# Altium PCB Sayma_AMC_RFSoC.PcbDoc (part 8 of 11)
Units mm, origin at the board's own origin, x right, y up, seen from the top; angles counter-clockwise.
Board outline 180.55 x 148.45 mm, 18 copper layers (Layer 1, Layer 2, Layer 3, Layer 4, Layer 5, Layer 6, Layer 7, Layer 8, Layer 9, Layer 10, Layer 11, Layer 12, Layer 13, Layer 14, Layer 15, Layer 16, Layer 17, Layer 18), stack 4.915 mm thick; 790 components, 796 nets, 6854 pads, 16 vias.
Unrouted connection lines stored in the file: 2880.
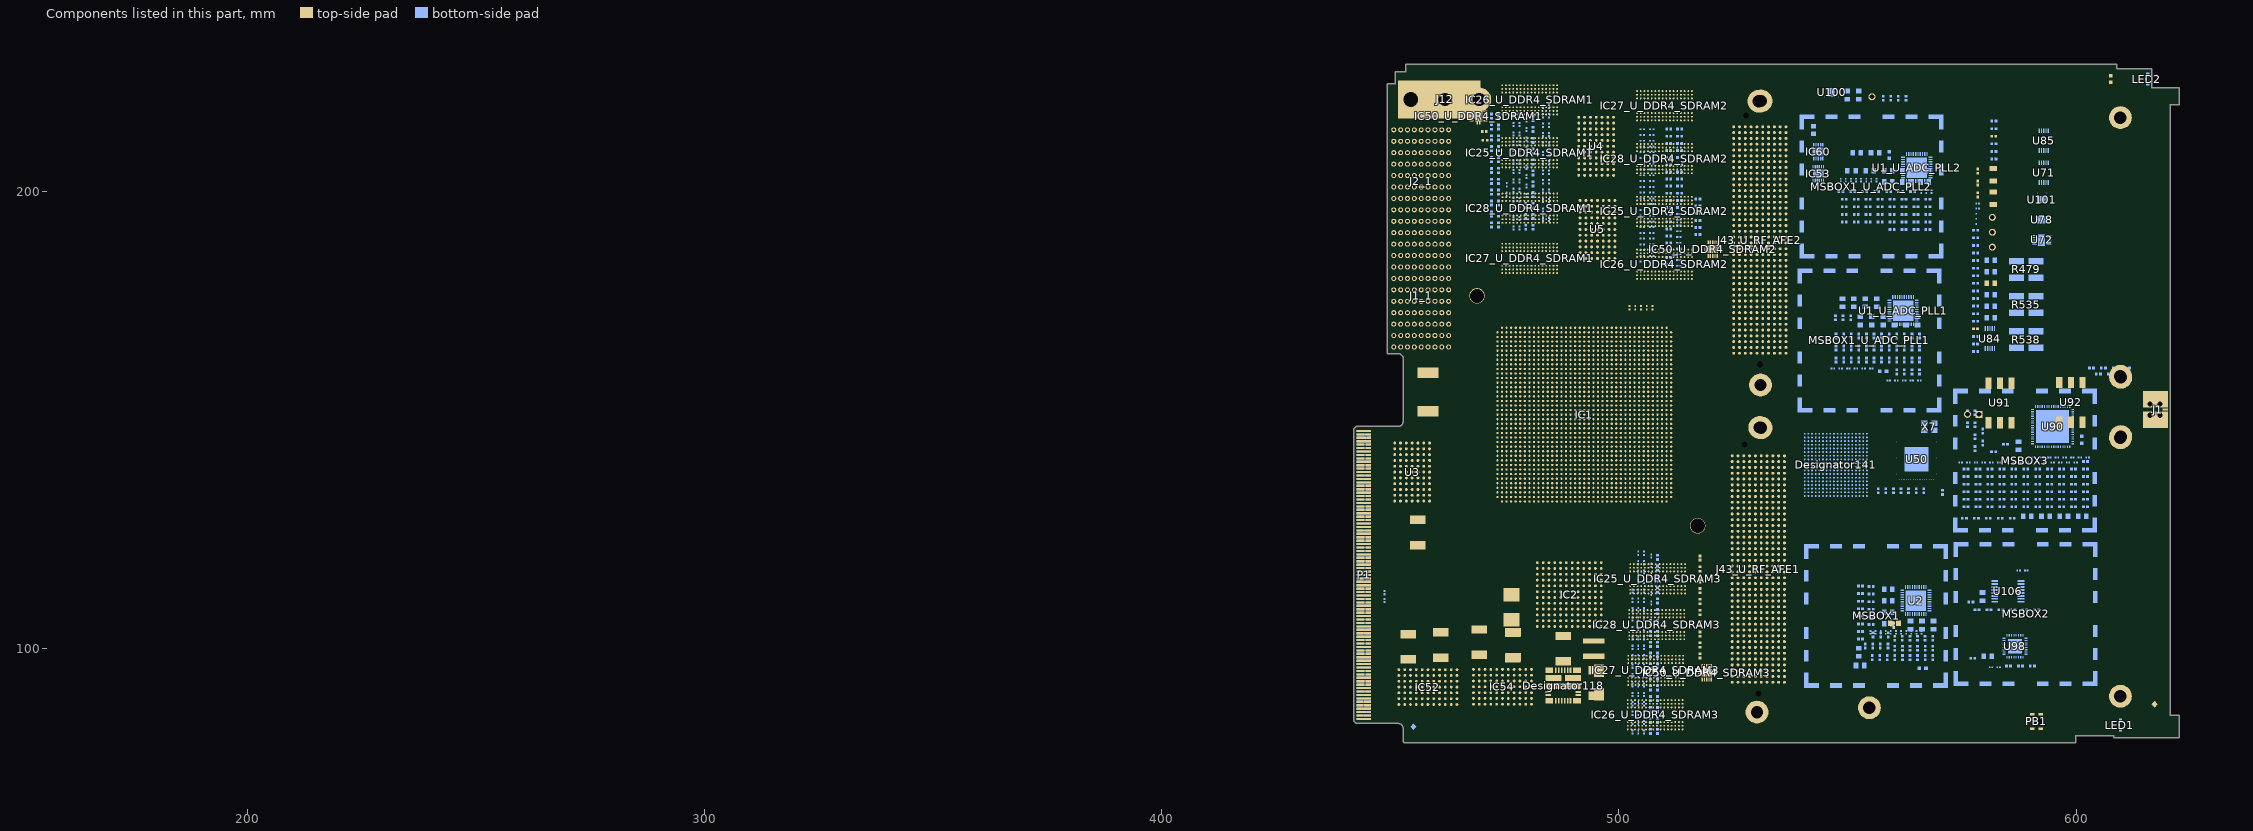
[diagram p19: the components of this part, seen from the top]

## Silkscreen, mask and mechanical layers (free items; w line width, h text height) (continued)
Drill Drawing:
  lines w0.127: 184.1,64.77 317.45,64.77 ; 184.1,69.85 317.45,69.85 ; 184.1,12.7 184.1,74.93 317.45,74.93 317.45,12.7 184.1,12.7
  text "D" at 550.6,224.972 h0.3 r180
  text "B" at 552.872,224.97 h2.03 r180
  text "B" at 557.948,224.941 h2.03 r180
  text "A" at 559.331,224.955 h2.03 r180
  text "B" at 545.788,224.926 h2.03 r180
  text "C" at 558.65,224.926 h0.2 r180
  text "C" at 553.858,224.801 h0.2 r90
  text "C" at 555.273,224.759 h0.2 r180
  text "C" at 545.937,224.736 h0.2 r180
  text "D" at 469.59,224.462 h0.3 r180
  text "D" at 470.698,224.457 h0.3 r180
  text "D" at 471.842,224.457 h0.3 r180
  text "B" at 558.009,224.441 h2.03 r180
  text "C" at 512.661,224.372 h0.2
  text "D" at 506.589,224.3 h0.3
  text "D" at 507.726,224.32 h0.3
  text "C" at 513.932,224.304 h0.2
  text "C" at 505.46,224.285 h0.2
  text "D" at 508.864,224.294 h0.3
  text "C" at 473.877,224.193 h0.2 r180
  text "D" at 503.051,224.107 h0.3
  text "D" at 504.868,224.102 h0.3
  text "B" at 546.228,224.079 h2.03 r180
  text "B" at 552.4,224.062 h2.03 r180
  text "B" at 550.346,223.942 h2.03 r180
  text "B" at 550.868,223.943 h2.03 r180
  text "B" at 556.956,223.896 h2.03 r180
  text "F" at 551.491,223.814 h1 r90
  text "D" at 481.98,223.795 h0.3 r180
  text "C" at 487.572,223.783 h0.2 r180
  text "C" at 510.395,223.761 h0.2
  text "B" at 560.885,223.759 h2.03 r180
  text "C" at 512.355,223.695 h0.2
  text "C" at 473.877,223.66 h0.2 r180
  text "D" at 503.97,223.594 h0.3
  text "C" at 560.709,223.603 h0.2 r180
  text "B" at 558.676,223.498 h2.03 r180
  text "D" at 470.718,223.364 h0.3 r180
  text "D" at 469.584,223.339 h0.3 r180
  text "D" at 471.852,223.349 h0.3 r180
  text "B" at 557.768,223.265 h2.03 r180
  text "C" at 509.755,223.12 h0.2
  text "C" at 553.962,223.073 h0.2 r180
  text "D" at 503.062,223.042 h0.3
  text "D" at 504.868,223.037 h0.3
  text "D" at 547.604,223.016 h0.3
  text "D" at 549.282,223.011 h0.3
  text "C" at 484.456,222.9 h0.2 r180
  text "C" at 510.053,222.832 h0.2
  text "C" at 479.713,222.772 h0.2 r180
  text "C" at 467.026,222.738 h0.2 r180
  text "D" at 505.133,222.727 h0.3
  text "C" at 503.096,222.576 h0.2
  text "C" at 555.932,222.549 h0.2 r180
  text "D" at 511.476,222.456 h0.3
  text "B" at 512.81,222.414 h2.03
  text "C" at 506.911,222.355 h0.2
  text "C" at 507.444,222.355 h0.2
  text "C" at 508.869,222.339 h0.2
  text "B" at 513.154,222.317 h2.03
  text "B" at 556.932,222.319 h2.03 r180
  text "D" at 548.42,222.203 h0.3
  text "F" at 551.54,222.2 h1 r90
  text "E" at 516.875,222.109 h0.6
  text "C" at 544.641,221.952 h0.2 r90
  text "C" at 509.117,221.853 h0.2
  text "U" at 514.376,221.815 h0.9
  text "C" at 505.077,221.794 h0.2
  text "C" at 502.354,221.748 h0.2
  text "C" at 510.107,221.68 h0.2
  text "B" at 509.75,221.66 h2.03
  text "C" at 553.2,221.641 h0.2 r180
  text "C" at 480.816,221.419 h0.2 r180
  text "D" at 513.072,221.373 h0.3
  text "D" at 514.94,221.373 h0.3
  text "D" at 549.276,221.349 h0.3
  text "D" at 547.629,221.333 h0.3
  text "B" at 512.389,221.257 h2.03
  text "C" at 476.598,221.142 h0.2 r180
  text "C" at 505.812,221.07 h0.2
  text "C" at 514.28,221.003 h0.2
  text "D" at 467.157,220.845 h0.3 r180
  text "D" at 514.001,220.86 h0.3
  text "C" at 284.079,220.672 h0.2
  text "C" at 286.161,220.681 h0.2
  text "C" at 502.761,220.598 h0.2
  text "F" at 551.589,220.489 h1 r90
  text "C" at 505.812,220.355 h0.2
  text "C" at 514.307,220.347 h0.2
  text "C" at 544.669,220.315 h0.2 r90
  text "D" at 514.929,220.264 h0.3
  text "D" at 513.072,220.234 h0.3
  text "C" at 510.254,220.17 h0.2
  text "C" at 512.829,220.153 h0.2
  text "C" at 467.289,220.096 h0.2 r180
  text "C" at 554.329,220.054 h0.2 r180
  text "C" at 554.989,220.054 h0.2 r180
  text "C" at 546.366,220.034 h0.2 r180
  text "C" at 555.887,220.005 h0.2 r180
  text "D" at 474.515,219.966 h0.3 r180
  text "C" at 473.66,219.918 h0.2 r180
  text "C" at 552.978,219.877 h0.2 r180
  text "C" at 194.209,219.685 h0.2
  text "C" at 193.294,219.63 h0.2
  text "C" at 195.18,219.63 h0.2
  text "C" at 468.188,219.623 h0.2 r180
  text "C" at 192.212,219.602 h0.2
  text "E" at 516.875,219.609 h0.6
  text "C" at 195.874,219.574 h0.2
  text "B" at 510.088,219.593 h2.03
  text "C" at 546.999,219.59 h0.2 r180
  text "C" at 196.983,219.519 h0.2
  text "C" at 198.231,219.435 h0.2
  text "C" at 199.396,219.435 h0.2
  text "C" at 268.679,219.38 h0.2
  text "C" at 269.581,219.38 h0.2
  text "D" at 557.262,219.389 h0.3 r90
  text "C" at 270.149,219.366 h0.2
  text "C" at 272.396,219.352 h0.2
  text "C" at 471.349,219.359 h0.2 r180
  text "C" at 270.898,219.338 h0.2
  text "C" at 271.661,219.338 h0.2
  text "C" at 273.145,219.338 h0.2
  text "C" at 273.81,219.338 h0.2
  text "C" at 274.531,219.338 h0.2
  text "C" at 509.754,219.341 h0.2
  text "C" at 282.881,219.242 h0.2
  text "C" at 287.339,219.242 h0.2
  text "C" at 290.737,219.242 h0.2
  text "C" at 278.504,219.233 h0.2
  text "C" at 279.038,219.229 h0.2
  text "D" at 487.591,219.235 h0.3 r180
  text "D" at 230.858,219.211 h0.3
  text "C" at 247.299,219.105 h0.2
  text "C" at 546.227,219.09 h0.2
  text "D" at 481.086,219.054 h0.3 r180
  text "C" at 506.554,218.891 h0.2
  text "J" at 205.347,218.805 h1.1
  text "C" at 505.267,218.79 h0.2
  text "J" at 202.408,218.767 h1.1
  text "J" at 208.089,218.778 h1.1
  text "J" at 210.955,218.775 h1.1
  text "C" at 472.145,218.747 h0.2 r180
  text "J" at 213.678,218.66 h1.1
  text "D" at 488.047,218.566 h0.3 r180
  text "B" at 265.275,218.483 h2.03
  text "C" at 475.716,218.498 h0.2 r180
  text "B" at 250.286,218.404 h2.03
  text "B" at 297.91,218.359 h2.03
  text "B" at 297.327,218.336 h2.03
  text "B" at 277.959,218.308 h2.03
  text "B" at 294.679,218.277 h2.03
  text "C" at 507.128,218.288 h0.2
  text "C" at 510.353,218.288 h0.2
  text "B" at 295.195,218.258 h2.03
  text "C" at 515.94,218.23 h0.2
  text "B" at 293.544,218.192 h2.03
  text "C" at 471.632,218.183 h0.2 r180
  text "B" at 292.583,218.16 h2.03
  text "C" at 470.582,217.975 h0.2 r180
  text "C" at 506.779,217.896 h0.2
  text "C" at 479.735,217.766 h0.2 r180
  text "D" at 485.805,217.736 h0.3 r180
  text "C" at 517.123,217.564 h0.2
  text "C" at 473.411,217.551 h0.2 r180
  text "C" at 516.536,217.349 h0.2
  text "C" at 477.143,217.166 h0.2 r180
  text "E" at 516.875,217.109 h0.6
  text "D" at 488.084,217.039 h0.3 r180
  text "D" at 502.872,216.964 h0.3
  text "D" at 504.696,216.916 h0.3
  text "C" at 216.226,216.87 h0.2
  text "C" at 235.286,216.781 h0.2
  text "C" at 480.126,216.784 h0.2 r180
  text "C" at 473.125,216.75 h0.2 r180
  text "C" at 479.593,216.722 h0.2 r180
  text "C" at 472.607,216.623 h0.2 r180
  text "W" at 167.252,216.555 h2.55
  text "C" at 230.339,216.572 h0.2
  text "C" at 507.046,216.449 h0.2
  text "C" at 473.581,216.358 h0.2 r180
  text "C" at 234.009,216.234 h0.2
  text "D" at 487.304,216.173 h0.3 r180
  text "D" at 501.866,216.17 h0.3
  text "D" at 324.667,216.151 h0.3
  text "D" at 503.849,216.149 h0.3
  text "R" at 195.61,216.095 h0.65
  text "T" at 193.91,215.995 h0.85
  text "C" at 470.927,215.969 h0.2 r180
  text "D" at 480.717,215.94 h0.3 r180
  text "D" at 467.94,215.928 h0.3 r180
  text "D" at 325.978,215.869 h0.3
  text "C" at 198.147,215.811 h0.2
  text "B" at 239.481,215.758 h2.03
  text "C" at 506.696,215.722 h0.2
  text "D" at 487.918,215.691 h0.3 r180
  text "D" at 477.791,215.646 h0.3 r180
  text "C" at 513.935,215.402 h0.2
  text "C" at 199.534,215.334 h0.2
  text "X" at 185.302,215.311 h2
  text "D" at 324.95,215.325 h0.3
  text "C" at 508.849,215.253 h0.2
  text "B" at 514.543,215.255 h2.03
  text "D" at 502.872,215.156 h0.3
  text "D" at 504.696,215.164 h0.3
  text "C" at 513.093,215.13 h0.2
  text "C" at 541.894,214.909 h0.2 r270
  text "C" at 232.516,214.891 h0.2
  text "C" at 513.902,214.886 h0.2
  text "C" at 225.651,214.851 h0.2
  text "C" at 475.286,214.87 h0.2 r180
  text "C" at 542.022,214.791 h0.2
  text "C" at 544.229,214.633 h0.2
  text "C" at 544.889,214.633 h0.2
  text "C" at 201.728,214.611 h0.2
  text "D" at 326.076,214.592 h0.3
  text "E" at 516.875,214.609 h0.6
  text "C" at 202.246,214.496 h0.2
  text "D" at 472.788,214.331 h0.3 r180
  text "D" at 473.904,214.33 h0.3 r180
  text "D" at 475.02,214.331 h0.3 r180
  text "C" at 468.118,214.308 h0.2 r180
  text "D" at 501.858,214.158 h0.3
  text "D" at 503.857,214.13 h0.3
  text "D" at 580.928,214.1 h0.3 r90
  text "C" at 195.685,213.982 h0.2
  text "B" at 207.115,213.947 h2.03
  text "C" at 469.606,213.918 h0.2 r180
  text "C" at 507.567,213.904 h0.2
  text "C" at 542.246,213.828 h0.2 r270
  text "C" at 506.643,213.702 h0.2
  text "D" at 481.086,213.419 h0.3 r180
  text "C" at 469.429,213.385 h0.2 r180
  text "D" at 502.839,213.347 h0.3
  text "D" at 504.687,213.343 h0.3
  text "D" at 473.881,213.231 h0.3 r180
  text "D" at 472.782,213.209 h0.3 r180
  text "D" at 475.01,213.199 h0.3 r180
  text "B" at 193.835,213.182 h2.03
  text "F" at 200.763,213.155 h1
  text "F" at 591.424,213.126 h1 r90
  text "C" at 565.403,213.039 h0.2
  text "C" at 583.549,212.963 h0.2 r90
  text "C" at 515.707,212.927 h0.2
  text "C" at 568.539,212.766 h0.2
  text "C" at 594.687,212.736 h0.2 r90
  text "D" at 580.936,212.514 h0.3 r90
  text "C" at 548.819,212.498 h0.2
  text "C" at 237.031,212.369 h0.2
  text "C" at 235.149,212.336 h0.2
  text "C" at 468.114,212.317 h0.2 r180
  text "F" at 197.476,212.257 h1
  text "C" at 225.637,212.196 h0.2
  text "C" at 227.378,212.145 h0.2
  text "D" at 474.996,212.107 h0.3 r180
  text "E" at 516.875,212.109 h0.6
  text "D" at 472.77,212.1 h0.3 r180
  text "D" at 473.911,212.1 h0.3 r180
  text "C" at 538.138,212.022 h0.2 r90
  text "D" at 239.982,211.97 h0.3
  text "D" at 225.334,211.942 h0.3
  text "C" at 569.517,211.915 h0.2
  text "D" at 485.767,211.897 h0.3 r180
  text "C" at 227.913,211.76 h0.2
  text "C" at 470.044,211.758 h0.2 r180
  text "P" at 329.736,211.734 h3.2
  text "P" at 336.216,211.734 h3.2
  text "P" at 342.696,211.734 h3.2
  text "C" at 563.272,211.739 h0.2
  text "C" at 570.346,211.716 h0.2
  text "C" at 324.207,211.621 h0.2
  text "C" at 536.227,211.629 h0.2 r90
  text "D" at 591.107,211.627 h0.3 r90
  text "B" at 241.2,211.555 h2.03
  text "C" at 475.152,211.467 h0.2 r180
  text "B" at 583.259,211.445 h2.03 r90
  text "C" at 237.93,211.291 h0.2
  text "B" at 207.205,211.286 h2.03
  text "C" at 227.272,211.248 h0.2
  text "C" at 559.626,211.216 h0.2
  text "D" at 579.152,211.156 h0.3 r90
  text "D" at 580.644,211.061 h0.3 r90
  text "C" at 505.523,211.041 h0.2
  text "C" at 588.684,211.015 h0.2 r90
  text "B" at 220.431,210.985 h2.03
  text "C" at 235.009,211.002 h0.2
  text "C" at 246.673,210.953 h0.2
  text "C" at 541.747,210.921 h0.2 r90
  text "C" at 589.334,210.914 h0.2 r90
  text "B" at 585.574,210.863 h2.03 r90
  text "C" at 559.166,210.838 h0.2
  text "C" at 471.398,210.745 h0.2 r180
  text "C" at 563.645,210.749 h0.2
  text "C" at 563.023,210.696 h0.2
  text "D" at 591.131,210.585 h0.3 r90
  text "C" at 511.242,210.498 h0.2
  text "C" at 592.174,210.47 h0.2 r90
  text "D" at 537.26,210.38 h0.3 r90
  text "C" at 469.488,210.356 h0.2 r180
  text "C" at 505.574,210.341 h0.2
  text "C" at 562.226,210.33 h0.2
  text "C" at 513.083,210.305 h0.2
  text "C" at 568.856,210.319 h0.2
  text "C" at 471.125,210.29 h0.2 r180
  text "B" at 228.826,210.254 h2.03
  text "C" at 479.735,210.269 h0.2 r180
  text "B" at 233.513,210.076 h2.03
  text "F" at 484.756,210.085 h1 r180
  text "C" at 469.818,209.937 h0.2 r180
  text "D" at 538.189,209.867 h0.3 r90
  text "B" at 236.092,209.824 h2.03
  text "C" at 472.911,209.745 h0.2 r180
  text "M" at 185.6,209.655 h2.55
  text "M" at 262.6,209.655 h2.55
  text "E" at 516.875,209.609 h0.6
  text "D" at 548.887,209.534 h0.3
  text "D" at 549.887,209.534 h0.3
  text "D" at 550.887,209.534 h0.3
  text "D" at 551.887,209.534 h0.3
  text "D" at 552.887,209.534 h0.3
  text "B" at 565.675,209.463 h2.03
  text "C" at 474.959,209.382 h0.2 r180
  text "D" at 540.845,209.292 h0.3 r90
  text "D" at 542.737,209.302 h0.3 r90
  text "C" at 583.179,209.27 h0.2 r90
  text "D" at 537.26,209.241 h0.3 r90
  text "D" at 476.544,209.1 h0.3 r180
  text "D" at 537.502,209.068 h0.3 r90
  text "C" at 515.202,208.922 h0.2
  text "C" at 582.008,208.871 h0.2 r90
  text "C" at 239.74,208.835 h0.2
  text "D" at 541.793,208.778 h0.3 r90
  text "B" at 195.425,208.766 h2.03
  text "C" at 544.526,208.761 h0.2 r270
  text "D" at 325.88,208.74 h0.3
  text "C" at 244.587,208.66 h0.2
  text "C" at 560.755,208.609 h0.2
  text "D" at 548.887,208.534 h0.3
  text "D" at 549.887,208.534 h0.3
  text "D" at 550.887,208.534 h0.3
  text "D" at 551.887,208.534 h0.3
  text "D" at 552.887,208.534 h0.3
  text "B" at 233.53,208.507 h2.03
  text "C" at 471.971,208.375 h0.2 r180
  text "C" at 240.669,208.366 h0.2
  text "F" at 487.542,208.321 h1 r180
  text "D" at 557.157,208.314 h0.3
  text "C" at 501.89,208.139 h0.2
  text "D" at 558.177,208.129 h0.3
  text "B" at 568.302,208.076 h2.03
  text "B" at 242.821,208.057 h2.03
  text "C" at 470.995,207.953 h0.2 r180
  text "D" at 187.925,207.915 h0.3
  text "B" at 195.5,207.914 h2.03
  text "C" at 543.75,207.933 h0.2
  text "1" at 329.577,207.877 h1.27 r90
  text "1" at 332.117,207.877 h1.27 r90
  text "1" at 334.657,207.877 h1.27 r90
  text "D" at 556.718,207.703 h0.3
  text "C" at 515.752,207.489 h0.2
  text "C" at 472.667,207.473 h0.2 r180
  text "C" at 545.704,207.478 h0.2 r270
  text "B" at 233.489,207.453 h2.03
  text "C" at 474.244,207.407 h0.2 r180
  text "A" at 506.795,207.386 h2.03
  text "10" at 327.037,207.225 h1.27 r90
  text "E" at 516.875,207.109 h0.6
  text "C" at 508.239,207.031 h0.2
  text "C" at 509.883,206.976 h0.2
  text "D" at 187.432,206.96 h0.3
  text "D" at 324.503,206.908 h0.3
  text "A" at 506.766,206.901 h2.03
  text "C" at 484.543,206.888 h0.2 r180
  text "B" at 568.491,206.881 h2.03
  text "C" at 241.965,206.854 h0.2
  text "C" at 185.555,206.815 h0.2
  text "D" at 569.07,206.729 h0.3
  text "D" at 594.699,206.732 h0.3 r90
  text "D" at 592.847,206.709 h0.3 r90
  text "C" at 513.528,206.621 h0.2
  text "C" at 514.186,206.535 h0.2
  text "D" at 325.065,206.46 h0.3
  text "E" at 332.515,206.384 h0.6
  text "E" at 334.015,206.384 h0.6
  text "E" at 335.515,206.384 h0.6
  text "E" at 337.015,206.384 h0.6
  text "E" at 338.515,206.384 h0.6
  text "E" at 340.015,206.384 h0.6
  text "E" at 341.515,206.384 h0.6
  text "E" at 343.015,206.384 h0.6
  text "E" at 344.515,206.384 h0.6
  text "D" at 558.3,206.297 h0.3
  text "D" at 560.168,206.297 h0.3
  text "F" at 250.258,206.272 h1
  text "D" at 593.76,206.219 h0.3 r90
  text "C" at 591.982,206.141 h0.2 r90
  text "B" at 245.925,206.04 h2.03
  text "D" at 325.76,206.032 h0.3
  text "D" at 569.038,205.958 h0.3
  text "D" at 559.229,205.784 h0.3
  text "G" at 243.772,205.7 h0.8
  text "D" at 594.689,205.623 h0.3 r90
  text "D" at 592.851,205.558 h0.3 r90
  text "D" at 564.53,205.513 h0.3
  text "D" at 565.855,205.452 h0.3
  text "B" at 231.37,205.435 h2.03
  text "C" at 241.366,205.408 h0.2
  text "C" at 543.793,205.318 h0.2 r270
  text "C" at 563.276,205.301 h0.2
  text "B" at 233.56,205.28 h2.03
  text "C" at 479.646,205.264 h0.2 r180
  text "D" at 553.2,205.248 h0.3
  text "D" at 560.157,205.189 h0.3
  text "D" at 558.3,205.158 h0.3
  text "C" at 557.347,204.97 h0.2
  text "C" at 514.821,204.943 h0.2
  text "C" at 551.472,204.96 h0.2
  text "C" at 543.397,204.922 h0.2 r270
  text "D" at 552.116,204.933 h0.3
  text "D" at 554.009,204.933 h0.3
  text "D" at 250.329,204.864 h0.3
  text "F" at 264.191,204.873 h1
  text "C" at 506.263,204.831 h0.2
  text "C" at 506.945,204.831 h0.2
  text "B" at 544.333,204.729 h2.03
  text "E" at 516.875,204.609 h0.6
  text "B" at 245.974,204.544 h2.03
  text "C" at 264.167,204.459 h0.2
  text "D" at 553.07,204.42 h0.3
  text "D" at 553.2,204.365 h0.3
  text "C" at 581.227,204.254 h0.2 r90
  text "C" at 580.465,204.206 h0.2 r90
  text "C" at 541.872,204.163 h0.2 r270
  text "C" at 278.939,204.111 h0.2
  text "C" at 294.226,204.084 h0.2
  text "D" at 298.739,204.074 h0.3
  text "C" at 281.473,204.037 h0.2
  text "C" at 282.683,204.037 h0.2
  text "C" at 283.955,204.037 h0.2
  text "C" at 285.282,204.037 h0.2
  text "C" at 286.406,204.037 h0.2
  text "C" at 288.412,204.045 h0.2
  text "C" at 509.831,204.027 h0.2
  text "B" at 290.598,204.024 h2.03
  text "B" at 291.868,204.001 h2.03
  text "B" at 293.138,204.009 h2.03
  text "D" at 545.341,204.024 h0.3
  text "C" at 583.65,203.983 h0.2 r90
  text "B" at 568.785,203.972 h2.03
  text "C" at 288.945,203.947 h0.2
  text "C" at 508.271,203.939 h0.2
  text "E" at 332.515,203.884 h0.6
  text "E" at 334.015,203.884 h0.6
  text "E" at 335.515,203.884 h0.6
  text "E" at 337.015,203.884 h0.6
  text "E" at 338.515,203.884 h0.6
  text "E" at 340.015,203.884 h0.6
  text "E" at 341.515,203.884 h0.6
  text "E" at 343.015,203.884 h0.6
  text "E" at 344.515,203.884 h0.6
  text "D" at 553.998,203.825 h0.3
  text "D" at 552.129,203.818 h0.3
  text "C" at 587.376,203.77 h0.2 r90
  text "C" at 239.167,203.742 h0.2
  text "D" at 249.326,203.673 h0.3
  text "C" at 289.623,203.639 h0.2
  text "U" at 263.2,203.58 h0.9
  text "D" at 544.8,203.543 h0.3
  text "C" at 479.728,203.53 h0.2 r180
  text "C" at 238.641,203.457 h0.2
  text "C" at 580.502,203.443 h0.2 r90
  text "C" at 242.503,203.369 h0.2
  text "C" at 278.276,203.368 h0.2
  text "C" at 561.12,203.343 h0.2
  text "D" at 298.739,203.323 h0.3
  text "C" at 240.137,203.248 h0.2
  text "B" at 233.585,203.212 h2.03
  text "C" at 247.922,203.133 h0.2
  text "C" at 481.692,203.056 h0.2 r180
  text "D" at 563.661,203.06 h0.3
  text "C" at 267.751,203.033 h0.2
  text "C" at 281.473,202.912 h0.2
  text "C" at 282.683,202.912 h0.2
  text "C" at 283.955,202.912 h0.2
  text "C" at 285.282,202.912 h0.2
  text "C" at 286.406,202.912 h0.2
  text "C" at 577.675,202.894 h0.2 r90
  text "C" at 278.319,202.842 h0.2
  text "C" at 470.243,202.799 h0.2 r180
  text "B" at 237.459,202.762 h2.03
  text "B" at 567.638,202.687 h2.03
  text "B" at 234.816,202.634 h2.03
  text "C" at 296.228,202.631 h0.2
  text "K" at 269.088,202.622 h1.35
  text "K" at 275.676,202.61 h1.35
  text "B" at 240.686,202.58 h2.03
  text "B" at 569.012,202.557 h2.03
  text "C" at 481.692,202.523 h0.2 r180
  text "C" at 288.063,202.454 h0.2
  text "B" at 559.206,202.365 h2.03
  text "B" at 233.233,202.191 h2.03
  text "B" at 235.406,202.096 h2.03
  text "B" at 240.819,202.096 h2.03
  text "A" at 244.164,202.109 h2.03
  text "E" at 516.875,202.109 h0.6
  text "C" at 567.44,202.103 h0.2
  text "D" at 592.575,202.12 h0.3 r90
  text "A" at 241.899,202.089 h2.03
  text "C" at 566.867,202.091 h0.2
  text "C" at 268.275,201.925 h0.2
  text "C" at 502.772,201.927 h0.2
  text "C" at 249.068,201.896 h0.2
  text "D" at 545.511,201.9 h0.3
  text "C" at 292.708,201.884 h0.2
  text "C" at 291.463,201.85 h0.2
  text "C" at 295.258,201.85 h0.2
  text "C" at 288.494,201.823 h0.2
  text "C" at 289.047,201.823 h0.2
  text "C" at 325.791,201.833 h0.2
  text "C" at 290.187,201.806 h0.2
  text "D" at 299.707,201.742 h0.3
  text "C" at 324.134,201.659 h0.2
  text "D" at 553.214,201.644 h0.3
  text "D" at 246.733,201.575 h0.3
  text "C" at 265.244,201.567 h0.2
  text "C" at 245.549,201.365 h0.2
  text "D" at 297.305,201.363 h0.3
  text "E" at 332.515,201.384 h0.6
  text "E" at 334.015,201.384 h0.6
  text "E" at 335.515,201.384 h0.6
  text "E" at 337.015,201.384 h0.6
  text "E" at 338.515,201.384 h0.6
  text "E" at 340.015,201.384 h0.6
  text "E" at 341.515,201.384 h0.6
  text "E" at 343.015,201.384 h0.6
  text "E" at 344.515,201.384 h0.6
  text "C" at 567.257,201.347 h0.2
  text "C" at 506.089,201.317 h0.2
  text "C" at 568.04,201.31 h0.2
  text "D" at 250.31,201.212 h0.3
  text "C" at 548.973,201.196 h0.2
  text "C" at 287.756,201.171 h0.2
  text "C" at 283.441,201.051 h0.2
  text "B" at 277.054,200.998 h2.03
  text "B" at 275.753,200.976 h2.03
  text "D" at 569.103,200.964 h0.3
  text "B" at 280.136,200.918 h2.03
  text "C" at 283.953,200.879 h0.2
  text "C" at 513.157,200.881 h0.2
  text "C" at 285.959,200.851 h0.2
  text "C" at 278.116,200.848 h0.2
  text "C" at 285.113,200.827 h0.2
  text "C" at 563.489,200.847 h0.2
  text "C" at 280.991,200.816 h0.2
  text "B" at 593.531,200.793 h2.03 r90
  text "C" at 282.953,200.738 h0.2
  text "B" at 561.224,200.691 h2.03
  text "C" at 246.8,200.647 h0.2
  text "C" at 250.325,200.626 h0.2
  text "C" at 563.756,200.599 h0.2
  text "B" at 565.867,200.617 h2.03
  text "C" at 284.453,200.579 h0.2
  text "C" at 286.453,200.587 h0.2
  text "B" at 298.303,200.561 h2.03
  text "C" at 469.893,200.533 h0.2 r180
  text "C" at 285.509,200.417 h0.2
  text "C" at 476.576,200.379 h0.2 r180
  text "C" at 474.857,200.349 h0.2 r180
  text "C" at 231.589,200.286 h0.2
  text "D" at 288.624,200.288 h0.3
  text "D" at 551.596,200.222 h0.3
  text "D" at 569.103,200.237 h0.3
  text "C" at 485.712,200.104 h0.2 r180
  text "C" at 278.085,200.086 h0.2
  text "C" at 483.461,200 h0.2 r180
  text "C" at 505.479,199.966 h0.2
  text "C" at 246.767,199.91 h0.2
  text "D" at 299.692,199.878 h0.3
  text "D" at 289.131,199.79 h0.3
  text "C" at 284.039,199.764 h0.2
  text "C" at 510.227,199.783 h0.2
  text "G" at 237.772,199.7 h0.8
  text "G" at 243.772,199.7 h0.8
  text "C" at 286.182,199.644 h0.2
  text "E" at 516.875,199.609 h0.6
  text "D" at 233.674,199.508 h0.3
  text "D" at 558.644,199.518 h0.3
  text "C" at 513.804,199.485 h0.2
  text "C" at 240.735,199.473 h0.2
  text "C" at 331.031,199.334 h0.2
  text "C" at 329.156,199.321 h0.2
  text "D" at 267.037,199.271 h0.3
  text "D" at 559.317,199.257 h0.3
  text "B" at 515.04,199.233 h2.03
  text "D" at 288.567,199.217 h0.3
  text "C" at 330.149,199.214 h0.2
  text "B" at 510.994,199.204 h2.03
  text "D" at 561.537,199.158 h0.3
  text "D" at 563.448,199.173 h0.3
  text "C" at 513.181,199.147 h0.2
  text "D" at 250.324,199.109 h0.3
  text "D" at 505.573,199.037 h0.3
  text "C" at 271.332,198.98 h0.2
  text "C" at 320.923,198.975 h0.2
  text "C" at 272.098,198.962 h0.2
  text "A" at 240.215,198.927 h2.03
  text "C" at 273.434,198.914 h0.2
  text "E" at 332.515,198.884 h0.6
  text "E" at 334.015,198.884 h0.6
  text "E" at 335.515,198.884 h0.6
  text "E" at 337.015,198.884 h0.6
  text "E" at 338.515,198.884 h0.6
  text "E" at 340.015,198.884 h0.6
  text "E" at 341.515,198.884 h0.6
  text "E" at 343.015,198.884 h0.6
  text "E" at 344.515,198.884 h0.6
  text "A" at 235.754,198.853 h2.03
  text "H" at 275.767,198.839 h1
  text "C" at 323.373,198.796 h0.2
  text "B" at 557.054,198.793 h2.03
  text "D" at 282.645,198.698 h0.3
  text "C" at 319.007,198.712 h0.2
  text "D" at 299.654,198.679 h0.3
  text "C" at 327.19,198.668 h0.2
  text "D" at 506.519,198.666 h0.3
  text "D" at 562.509,198.66 h0.3
  text "C" at 245.309,198.552 h0.2
  text "C" at 278.192,198.498 h0.2
  text "C" at 565.4,198.475 h0.2
  text "B" at 249.334,198.441 h2.03
  text "C" at 272.968,198.447 h0.2
  text "D" at 288.774,198.459 h0.3
  text "C" at 559.787,198.454 h0.2
  text "B" at 299.117,198.429 h2.03
  text "C" at 484.52,198.414 h0.2 r180
  text "B" at 277.855,198.393 h2.03
  text "D" at 558.704,198.318 h0.3
  text "B" at 284.403,198.31 h2.03
  text "D" at 287.734,198.191 h0.3
  text "C" at 243.341,198.177 h0.2
  text "F" at 578.385,198.154 h1 r180
  text "C" at 293.13,198.077 h0.2
  text "D" at 282.094,198.05 h0.3
  text "D" at 561.581,198.034 h0.3
  text "D" at 563.414,198.022 h0.3
  text "C" at 294.505,197.989 h0.2
  text "F" at 302.696,197.949 h1
  text "B" at 591.534,197.949 h2.03 r90
  text "C" at 469.906,197.92 h0.2 r180
  text "D" at 246.053,197.87 h0.3
  text "B" at 317.338,197.814 h2.03
  text "C" at 594.168,197.779 h0.2 r90
  text "D" at 249.62,197.734 h0.3
  text "C" at 293.754,197.677 h0.2
  text "C" at 290.556,197.636 h0.2
  text "C" at 291.613,197.63 h0.2
  text "C" at 292.636,197.616 h0.2
  text "D" at 299.674,197.571 h0.3
  text "C" at 550.082,197.554 h0.2
  text "A" at 239.008,197.548 h2.03
  text "A" at 236.655,197.493 h2.03
  text "D" at 295.473,197.475 h0.3
  text "C" at 476.677,197.429 h0.2 r180
  text "D" at 549.11,197.41 h0.3
  text "C" at 474.908,197.395 h0.2 r180
  text "D" at 551.151,197.396 h0.3
  text "D" at 282.048,197.347 h0.3
  text "A" at 293.658,197.359 h2.03
  text "D" at 297.356,197.353 h0.3
  text "D" at 250.323,197.32 h0.3
  text "C" at 298.282,197.329 h0.2
  text "C" at 319.681,197.296 h0.2
  text "B" at 552.492,197.168 h2.03
  text "C" at 568.524,197.189 h0.2
  text "C" at 265.136,197.146 h0.2
  text "C" at 241.787,197.022 h0.2
  text "C" at 294.621,196.932 h0.2
  text "C" at 328.854,196.927 h0.2
  text "D" at 243.506,196.876 h0.3
  text "D" at 287.72,196.864 h0.3
  text "C" at 278.102,196.856 h0.2
  text "C" at 324.74,196.81 h0.2
  text "D" at 503.614,196.798 h0.3
  text "D" at 505.693,196.789 h0.3
  text "C" at 561.106,196.789 h0.2
  text "C" at 568.098,196.808 h0.2
  text "C" at 568.692,196.789 h0.2
  text "0.0039" at 117.726,196.687 h1.27 r90
  text "0.0059" at 120.266,196.687 h1.27 r90
  text "0.0236" at 127.886,196.687 h1.27 r90
  text "0.0276" at 130.426,196.687 h1.27 r90
  text "0.0394" at 135.506,196.687 h1.27 r90
  text "0.0433" at 138.046,196.687 h1.27 r90
  text "0.0080" at 122.806,196.682 h1.27 r90
  text "0.0315" at 132.966,196.668 h1.27 r90
  text "0.0531" at 140.586,196.668 h1.27 r90
  text "0.0591" at 143.126,196.668 h1.27 r90
  text "0.1004" at 145.666,196.668 h1.27 r90
  text "0.0118" at 125.346,196.643 h1.27 r90
  text "C" at 312.347,196.638 h0.2
  text "C" at 313.069,196.625 h0.2
  text "C" at 469.706,196.632 h0.2 r180
  text "C" at 249.205,196.597 h0.2
  text "A" at 240.313,196.573 h2.03
  text "C" at 331.209,196.577 h0.2
  text "C" at 320.923,196.524 h0.2
  text "C" at 578.887,196.497 h0.2 r90
  text "C" at 308.086,196.42 h0.2
  text "B" at 589.554,196.424 h2.03 r90
  text "E" at 332.515,196.384 h0.6
  text "E" at 334.015,196.384 h0.6
  text "E" at 335.515,196.384 h0.6
  text "E" at 337.015,196.384 h0.6
  text "E" at 338.515,196.384 h0.6
  text "E" at 340.015,196.384 h0.6
  text "E" at 341.515,196.384 h0.6
  text "E" at 343.015,196.384 h0.6
  text "E" at 344.515,196.384 h0.6
  text "H" at 275.767,196.299 h1
  text "C" at 326.068,196.276 h0.2
  text "D" at 297.342,196.153 h0.3
  text "C" at 324.769,196.154 h0.2
  text "D" at 299.953,196.113 h0.3
  text "C" at 323.531,196.118 h0.2
  text "B" at 242.66,196.063 h2.03
  text "C" at 308.463,196.043 h0.2
  text "D" at 557.471,196.029 h0.3
  text "D" at 558.536,196.039 h0.3
  text "D" at 282.067,196.023 h0.3
  text "D" at 556.404,196.016 h0.3
  text "C" at 514.839,195.912 h0.2
  text "C" at 265.084,195.876 h0.2
  text "D" at 504.623,195.774 h0.3
  text "D" at 502.629,195.759 h0.3
  text "C" at 512.082,195.77 h0.2
  text "D" at 282.991,195.731 h0.3
  text "C" at 287.72,195.7 h0.2
  text "C" at 582.13,195.686 h0.2 r90
  text "C" at 246.793,195.546 h0.2
  text "C" at 294.508,195.546 h0.2
  text "B" at 267.403,195.54 h2.03
  text "D" at 290.526,195.419 h0.3
  text "D" at 291.532,195.411 h0.3
  text "D" at 292.416,195.405 h0.3
  text "C" at 554.256,195.366 h0.2
  text "C" at 471.047,195.351 h0.2 r180
  text "C" at 511.273,195.329 h0.2
  text "C" at 592.017,195.323 h0.2 r90
  text "C" at 308.614,195.289 h0.2
  text "C" at 474.721,195.244 h0.2 r180
  text "A" at 240.331,195.232 h2.03
  text "A" at 236.813,195.183 h2.03
  text "D" at 282.048,195.158 h0.3
  text "C" at 313.138,195.112 h0.2
  text "C" at 483.382,195.11 h0.2 r180
  text "C" at 509.549,195.132 h0.2
  text "D" at 480.951,195.103 h0.3 r180
  text "C" at 582.612,195.088 h0.2 r90
  text "D" at 468.026,195.072 h0.3 r180
  text "D" at 469.135,195.062 h0.3 r180
  text "D" at 558.498,195.018 h0.3
  text "A" at 242.145,194.999 h2.03
  text "A" at 246.079,194.986 h2.03
  text "D" at 556.425,195.008 h0.3
  text "D" at 557.471,195.006 h0.3
  text "B" at 234.718,194.934 h2.03
  text "C" at 249.163,194.911 h0.2
  text "C" at 308.991,194.912 h0.2
  text "C" at 314.595,194.928 h0.2
  text "D" at 283,194.84 h0.3
  text "D" at 516.9,194.813 h0.3
  text "C" at 322.218,194.747 h0.2
  text "C" at 327.301,194.747 h0.2
  text "D" at 503.645,194.735 h0.3
  text "D" at 505.692,194.728 h0.3
  text "C" at 554.437,194.702 h0.2
  text "D" at 266.723,194.678 h0.3
  text "D" at 269.946,194.678 h0.3
  text "D" at 278.47,194.678 h0.3
  text "C" at 265.136,194.606 h0.2
  text "C" at 563.496,194.58 h0.2
  text "D" at 301.491,194.515 h0.3
  text "D" at 298.671,194.475 h0.3
  text "D" at 299.658,194.434 h0.3
  text "D" at 297.899,194.414 h0.3
  text "D" at 300.537,194.401 h0.3
  text "C" at 483.708,194.409 h0.2 r180
  text "C" at 272.373,194.3 h0.2
  text "C" at 280.725,194.316 h0.2
  text "C" at 246.805,194.276 h0.2
  text "C" at 513.406,194.284 h0.2
  text "C" at 586.86,194.295 h0.2 r90
  text "C" at 479.801,194.254 h0.2 r180
  text "D" at 282.605,194.166 h0.3
  text "C" at 513.164,194.148 h0.2
  text "C" at 331.299,194.131 h0.2
  text "D" at 468.54,194.133 h0.3 r180
  text "C" at 287.476,194.074 h0.2
  text "C" at 563.516,194.07 h0.2
  text "C" at 554.337,194.066 h0.2
  text "B" at 288.919,194.004 h2.03
  text "C" at 478.212,194.012 h0.2 r180
  text "D" at 556.419,193.969 h0.3
  text "D" at 558.52,193.977 h0.3
  text "C" at 509.599,193.955 h0.2
  text "D" at 557.476,193.951 h0.3
  text "E" at 332.515,193.884 h0.6
  text "E" at 334.015,193.884 h0.6
  text "E" at 335.515,193.884 h0.6
  text "E" at 337.015,193.884 h0.6
  text "E" at 338.515,193.884 h0.6
  text "E" at 340.015,193.884 h0.6
  text "E" at 341.515,193.884 h0.6
  text "E" at 343.015,193.884 h0.6
  text "E" at 344.515,193.884 h0.6
  text "C" at 245.887,193.813 h0.2
  text "H" at 275.767,193.759 h1
  text "C" at 559.387,193.72 h0.2
  text "D" at 502.606,193.696 h0.3
  text "D" at 504.615,193.712 h0.3
  text "C" at 249.241,193.641 h0.2
  text "C" at 250.382,193.641 h0.2
  text "C" at 318.368,193.649 h0.2
  text "C" at 559.461,193.573 h0.2
  text "C" at 232.907,193.558 h0.2
  text "D" at 477.45,193.559 h0.3 r180
  text "B" at 288.644,193.516 h2.03
  text "D" at 475.7,193.492 h0.3 r180
  text "C" at 282.591,193.452 h0.2
  text "C" at 313.036,193.438 h0.2
  text "D" at 231.607,193.414 h0.3
  text "C" at 511.255,193.417 h0.2
  text "C" at 514.291,193.419 h0.2
  text "C" at 240.316,193.402 h0.2
  text "B" at 297.209,193.401 h2.03
  text "C" at 323.512,193.376 h0.2
  text "C" at 326.027,193.376 h0.2
  text "C" at 320.954,193.343 h0.2
  text "C" at 569.13,193.314 h0.2
  text "C" at 278.684,193.296 h0.2
  text "C" at 548.715,193.24 h0.2
  text "B" at 559.961,193.233 h2.03
  text "G" at 243.756,193.216 h0.8
  text "C" at 286.636,193.213 h0.2
  text "C" at 509.593,193.229 h0.2
  text "G" at 237.772,193.2 h0.8
  text "D" at 468.026,193.205 h0.3 r180
  text "D" at 469.166,193.205 h0.3 r180
  text "D" at 476.534,193.079 h0.3 r180
  text "C" at 246.841,193.006 h0.2
  text "C" at 559.807,192.995 h0.2
  text "C" at 566.703,192.996 h0.2
  text "B" at 265.346,192.963 h2.03
  text "C" at 515.103,192.958 h0.2
  text "C" at 282.615,192.935 h0.2
  text "C" at 549.096,192.86 h0.2
  text "C" at 326.039,192.833 h0.2
  text "C" at 569.615,192.847 h0.2
  text "D" at 265.97,192.78 h0.3
  text "C" at 509.043,192.701 h0.2
  text "D" at 503.607,192.634 h0.3
  text "D" at 505.693,192.636 h0.3
  text "B" at 553.504,192.638 h2.03
  text "C" at 286.646,192.604 h0.2
  text "D" at 329.549,192.616 h0.3
  text "C" at 587.668,192.586 h0.2 r90
  text "C" at 324.714,192.553 h0.2
  text "C" at 470.058,192.529 h0.2 r180
  text "A" at 235.735,192.51 h2.03
  text "C" at 466.858,192.517 h0.2 r180
  text "D" at 475.608,192.477 h0.3 r180
  text "D" at 477.463,192.484 h0.3 r180
  text "C" at 549.476,192.479 h0.2
  text "B" at 561.421,192.471 h2.03
  text "C" at 278.218,192.436 h0.2
  text "C" at 319.711,192.415 h0.2
  text "C" at 249.146,192.371 h0.2
  text "C" at 250.423,192.371 h0.2
  text "C" at 317.116,192.375 h0.2
  text "C" at 473.042,192.379 h0.2 r180
  text "C" at 314.47,192.365 h0.2
  text "C" at 321.682,192.36 h0.2
  text "C" at 324.224,192.36 h0.2
  text "C" at 568.468,192.355 h0.2
  text "C" at 276.715,192.332 h0.2
  text "C" at 315.923,192.325 h0.2
  text "D" at 270.94,192.299 h0.3
  text "C" at 328.724,192.297 h0.2
  text "C" at 323.385,192.268 h0.2
  text "D" at 481.151,192.271 h0.3 r180
  text "B" at 287.153,192.231 h2.03
  text "C" at 589.413,192.188 h0.2 r90
  text "C" at 549.857,192.098 h0.2
  text "C" at 506.618,191.994 h0.2
  text "C" at 278.042,191.96 h0.2
  text "D" at 514.38,191.956 h0.3
  text "C" at 231.603,191.922 h0.2
  text "B" at 480.578,191.864 h2.03 r180
  text "D" at 330.345,191.834 h0.3
  text "C" at 279.158,191.784 h0.2
  text "C" at 511.843,191.762 h0.2
  text "C" at 589.749,191.769 h0.2 r90
  text "C" at 246.817,191.736 h0.2
  text "A" at 569.02,191.724 h2.03
  text "C" at 474.652,191.694 h0.2 r180
  text "B" at 553.36,191.675 h2.03
  text "B" at 555.934,191.68 h2.03
  text "C" at 557.541,191.645 h0.2
  text "C" at 514.84,191.615 h0.2
  text "C" at 282.156,191.443 h0.2
  text "D" at 516.067,191.447 h0.3
  text "C" at 281.11,191.395 h0.2
  text "C" at 281.648,191.396 h0.2
  text "E" at 332.515,191.384 h0.6
  text "E" at 334.015,191.384 h0.6
  text "E" at 335.515,191.384 h0.6
  text "E" at 337.015,191.384 h0.6
  text "E" at 338.515,191.384 h0.6
  text "E" at 340.015,191.384 h0.6
  text "E" at 341.515,191.384 h0.6
  text "E" at 343.015,191.384 h0.6
  text "E" at 344.515,191.384 h0.6
  text "C" at 515.229,191.389 h0.2
  text "B" at 566.803,191.349 h2.03
  text "C" at 279.739,191.288 h0.2
  text "B" at 556.642,191.266 h2.03
  text "H" at 275.767,191.219 h1
  text "C" at 278.049,191.198 h0.2
  text "C" at 312.999,191.183 h0.2
  text "C" at 240.851,191.148 h0.2
  text "C" at 249.065,191.17 h0.2
  text "C" at 250.451,191.131 h0.2
  text "C" at 328.664,191.125 h0.2
  text "C" at 317.096,191.112 h0.2
  text "C" at 315.893,191.082 h0.2
  text "C" at 318.389,191.082 h0.2
  text "C" at 325.865,191.084 h0.2
  text "C" at 475.247,191.086 h0.2 r180
  text "C" at 323.467,191.066 h0.2
  text "B" at 553.36,191.037 h2.03
  text "A" at 242.198,190.986 h2.03
  text "A" at 245.017,190.925 h2.03
  text "C" at 504.952,190.909 h0.2
  text "C" at 474.609,190.893 h0.2 r180
  text "B" at 548.897,190.852 h2.03
  text "C" at 470.18,190.769 h0.2 r180
  text "C" at 569.021,190.79 h0.2
  text "D" at 270.617,190.758 h0.3
  text "C" at 505.707,190.747 h0.2
  text "D" at 268.533,190.734 h0.3
  text "C" at 482.187,190.654 h0.2 r180
  text "B" at 560.16,190.649 h2.03
  text "C" at 568.356,190.621 h0.2
  text "B" at 559.051,190.605 h2.03
  text "C" at 506.211,190.529 h0.2
  text "B" at 290.068,190.494 h2.03
  text "C" at 561.128,190.49 h0.2
  text "B" at 554.598,190.484 h2.03
  text "B" at 562.436,190.472 h2.03
  text "A" at 230.572,190.458 h2.03
  text "D" at 246.779,190.417 h0.3
  text "A" at 239.394,190.402 h2.03
  text "C" at 563.997,190.39 h0.2
  text "D" at 502.328,190.373 h0.3
  text "C" at 557.389,190.287 h0.2
  text "B" at 234.263,190.278 h2.03
  text "D" at 311.246,190.215 h0.3
  text "D" at 250.136,190.194 h0.3
  text "A" at 235.386,190.108 h2.03
  text "C" at 514.552,190.11 h0.2
  text "D" at 504.981,190.073 h0.3
  text "C" at 557.53,190.046 h0.2
  text "B" at 562.488,190.055 h2.03
  text "B" at 551.958,190.029 h2.03
  text "B" at 554.28,190.026 h2.03
  text "B" at 554.746,189.999 h2.03
  text "H" at 293.437,189.966 h1
  text "H" at 295.977,189.966 h1
  text "C" at 512.689,189.979 h0.2
  text "B" at 551.902,189.965 h2.03
  text "B" at 556.4,189.936 h2.03
  text "B" at 558.96,189.891 h2.03
  text "C" at 560.793,189.879 h0.2
  text "B" at 566.455,189.879 h2.03
  text "B" at 567.155,189.902 h2.03
  text "C" at 551.118,189.797 h0.2
  text "C" at 564.361,189.68 h0.2
  text "B" at 565.043,189.665 h2.03
  text "C" at 584.166,189.663 h0.2 r90
  text "D" at 267.494,189.646 h0.3
  text "C" at 322.231,189.647 h0.2
  text "B" at 244.095,189.621 h2.03
  text "C" at 285.702,189.62 h0.2
  text "C" at 557.15,189.618 h0.2
  text "A" at 245.822,189.588 h2.03
  text "C" at 327.296,189.54 h0.2
  text "B" at 556.627,189.542 h2.03
  text "C" at 469.474,189.492 h0.2 r180
  text "C" at 514.979,189.477 h0.2
  text "B" at 553.922,189.447 h2.03
  text "B" at 558.857,189.451 h2.03
  text "C" at 585.254,189.469 h0.2 r90
  text "C" at 470.323,189.441 h0.2 r180
  text "U" at 263.2,189.38 h0.9
  text "D" at 586.779,189.395 h0.3 r90
  text "A" at 233.072,189.367 h2.03
  text "B" at 552.332,189.36 h2.03
  text "C" at 479.83,189.325 h0.2 r180
  text "D" at 515.879,189.339 h0.3
  text "C" at 471.625,189.273 h0.2 r180
  text "C" at 483.253,189.29 h0.2 r180
  text "C" at 511.328,189.28 h0.2
  text "B" at 274.61,189.224 h2.03
  text "C" at 475.668,189.155 h0.2 r180
  text "B" at 240.856,189.113 h2.03
  text "C" at 569.014,189.1 h0.2
  text "C" at 579.07,189.094 h0.2 r90
  text "C" at 283.404,189.083 h0.2
  text "C" at 557.141,189.074 h0.2
  text "B" at 297.148,189.014 h2.03
  text "D" at 269.693,189 h0.3
  text "B" at 562.364,188.983 h2.03
  text "D" at 266.539,188.924 h0.3
  text "D" at 272.297,188.898 h0.3
  text "C" at 472.325,188.896 h0.2 r180
  text "C" at 263.992,188.871 h0.2
  text "E" at 332.515,188.884 h0.6
  text "E" at 334.015,188.884 h0.6
  text "E" at 335.515,188.884 h0.6
  text "E" at 337.015,188.884 h0.6
  text "E" at 338.515,188.884 h0.6
  text "E" at 340.015,188.884 h0.6
  text "E" at 341.515,188.884 h0.6
  text "E" at 343.015,188.884 h0.6
  text "E" at 344.515,188.884 h0.6
  text "C" at 503.314,188.878 h0.2
  text "D" at 312.405,188.853 h0.3
  text "C" at 504.24,188.835 h0.2
  text "B" at 554.765,188.816 h2.03
  text "C" at 560.866,188.836 h0.2
  text "C" at 554.557,188.79 h0.2
  text "B" at 549.391,188.767 h2.03
  text "C" at 245.635,188.739 h0.2
  text "B" at 562.534,188.755 h2.03
  text "D" at 478.867,188.728 h0.3 r180
  text "A" at 233.28,188.68 h2.03
  text "C" at 562.589,188.663 h0.2
  text "C" at 552.725,188.655 h0.2
  text "C" at 514.192,188.63 h0.2
  text "C" at 474.36,188.582 h0.2 r180
  text "C" at 264.754,188.577 h0.2
  text "C" at 328.714,188.559 h0.2
  text "C" at 327.311,188.549 h0.2
  text "D" at 564.044,188.485 h0.3
  text "C" at 323.45,188.34 h0.2
  text "F" at 303.02,188.281 h1
  text "B" at 559.066,188.261 h2.03
  text "B" at 328.728,188.247 h2.03
  text "B" at 558.387,188.233 h2.03
  text "B" at 562.364,188.238 h2.03
  text "C" at 548.5,188.178 h0.2
  text "B" at 567.699,188.185 h2.03
  text "C" at 541.746,188.148 h0.2
  text "B" at 285.089,188.089 h2.03
  text "B" at 285.697,188.089 h2.03
  text "B" at 298.686,188.099 h2.03
  text "C" at 538.938,188.093 h0.2
  text "C" at 543.299,188.012 h0.2
  text "B" at 547.211,187.953 h2.03
  text "B" at 554.782,187.884 h2.03
  text "D" at 504.578,187.776 h0.3
  text "D" at 516.697,187.772 h0.3
  text "D" at 275.383,187.744 h0.3
  text "B" at 304.179,187.738 h2.03
  text "C" at 477.084,187.731 h0.2 r180
  text "B" at 318.099,187.674 h2.03
  text "C" at 477.767,187.67 h0.2 r180
  text "C" at 515.183,187.641 h0.2
  text "D" at 308.625,187.603 h0.3
  text "D" at 249.389,187.579 h0.3
  text "B" at 561.595,187.588 h2.03
  text "D" at 302.861,187.528 h0.3
  text "H" at 293.437,187.426 h1
  text "H" at 295.977,187.426 h1
  text "D" at 271.2,187.367 h0.3
  text "B" at 288.561,187.368 h2.03
  text "B" at 285.652,187.344 h2.03
  text "B" at 553.438,187.353 h2.03
  text "C" at 327.311,187.316 h0.2
  text "C" at 245.868,187.305 h0.2
  text "C" at 298.686,187.299 h0.2
  text "C" at 475.441,187.299 h0.2 r180
  text "D" at 247.025,187.262 h0.3
  text "D" at 274.322,187.284 h0.3
  text "C" at 324.755,187.236 h0.2
  text "G" at 243.772,187.2 h0.8
  text "C" at 466.665,187.116 h0.2 r180
  text "D" at 502.194,187.064 h0.3
  text "D" at 503.299,187.056 h0.3
  text "B" at 549.17,186.999 h2.03
  text "C" at 511.237,186.89 h0.2
  text "C" at 469.073,186.878 h0.2 r180
  text "C" at 285.147,186.846 h0.2
  text "C" at 329.035,186.805 h0.2
  text "B" at 287.87,186.732 h2.03
  text "B" at 288.561,186.732 h2.03
  text "B" at 552.153,186.747 h2.03
  text "D" at 312.314,186.673 h0.3
  text "C" at 513.178,186.639 h0.2
  text "D" at 543.853,186.579 h0.3
  text "C" at 476.185,186.548 h0.2 r180
  text "D" at 516.422,186.493 h0.3
  text "B" at 546.14,186.491 h2.03
  text "E" at 332.515,186.384 h0.6
  text "E" at 334.015,186.384 h0.6
  text "E" at 335.515,186.384 h0.6
  text "E" at 337.015,186.384 h0.6
  text "E" at 338.515,186.384 h0.6
  text "E" at 340.015,186.384 h0.6
  text "E" at 341.515,186.384 h0.6
  text "E" at 343.015,186.384 h0.6
  text "E" at 344.515,186.384 h0.6
  text "B" at 565.136,186.381 h2.03
  text "D" at 308.701,186.368 h0.3
  text "C" at 515.024,186.247 h0.2
  text "C" at 579.072,186.159 h0.2 r90
  text "D" at 502.704,186.127 h0.3
  text "D" at 488.127,186.107 h0.3 r180
  text "A" at 233.832,185.996 h2.03
  text "C" at 474.651,185.993 h0.2 r180
  text "C" at 478.975,185.992 h0.2 r180
  text "C" at 476.193,185.925 h0.2 r180
  text "C" at 481.21,185.912 h0.2 r180
  text "F" at 581.241,185.883 h1 r90
  text "C" at 278.27,185.839 h0.2
  text "D" at 470.371,185.769 h0.3 r180
  text "D" at 471.547,185.781 h0.3 r180
  text "D" at 472.593,185.773 h0.3 r180
  text "D" at 272.751,185.702 h0.3
  text "D" at 279.859,185.709 h0.3
  text "B" at 231.112,185.655 h2.03
  text "C" at 511.935,185.64 h0.2
  text "B" at 271.1,185.619 h2.03
  text "D" at 302.553,185.581 h0.3
  text "B" at 468.181,185.57 h2.03 r180
  text "D" at 299.696,185.551 h0.3
  text "C" at 331.016,185.529 h0.2
  text "C" at 512.631,185.478 h0.2
  text "C" at 268.535,185.411 h0.2
  text "C" at 286.389,185.353 h0.2
  text "C" at 232.926,185.187 h0.2
  text "B" at 274.391,185.188 h2.03
  text "D" at 502.202,185.201 h0.3
  text "D" at 503.33,185.198 h0.3
  text "C" at 329.756,185.174 h0.2
  text "D" at 516.151,185.125 h0.3
  text "C" at 244.557,185.086 h0.2
  text "B" at 285.794,185.099 h2.03
  text "C" at 327.471,185.001 h0.2
  text "C" at 242.057,184.988 h0.2
  text "C" at 331.016,184.996 h0.2
  text "C" at 478.94,184.999 h0.2 r180
  text "C" at 582.175,184.951 h0.2 r90
  text "D" at 280.978,184.927 h0.3
  text "C" at 476.239,184.936 h0.2 r180
  text "B" at 270.651,184.912 h2.03
  text "B" at 271.266,184.912 h2.03
  text "C" at 279.93,184.899 h0.2
  text "H" at 293.437,184.886 h1
  text "H" at 295.977,184.886 h1
  text "D" at 299.305,184.875 h0.3
  text "D" at 300.373,184.89 h0.3
  text "D" at 301.275,184.89 h0.3
  text "B" at 276.474,184.864 h2.03
  text "D" at 302.147,184.86 h0.3
  text "C" at 285.99,184.805 h0.2
  text "D" at 303.094,184.8 h0.3
  text "D" at 284.356,184.789 h0.3
  text "C" at 330.133,184.797 h0.2
  text "F" at 580.688,184.712 h1 r90
  text "C" at 286.866,184.681 h0.2
  text "D" at 470.367,184.662 h0.3 r180
  text "D" at 471.466,184.662 h0.3 r180
  text "D" at 472.589,184.662 h0.3 r180
  text "B" at 234.816,184.571 h2.03
  text "C" at 288.269,184.473 h0.2
  text "C" at 478.94,184.466 h0.2 r180
  text "A" at 230.24,184.274 h2.03
  text "C" at 505.681,184.284 h0.2
  text "D" at 488.431,184.202 h0.3 r180
  text "C" at 486.203,184.109 h0.2 r180
  text "D" at 287.552,184.083 h0.3
  text "F" at 588.672,184.051 h1 r90
  text "B" at 287.833,184.034 h2.03
  text "F" at 587.548,184.001 h1 r90
  text "E" at 332.515,183.884 h0.6
  text "E" at 334.015,183.884 h0.6
  text "E" at 335.515,183.884 h0.6
  text "E" at 337.015,183.884 h0.6
  text "E" at 338.515,183.884 h0.6
  text "E" at 340.015,183.884 h0.6
  text "E" at 341.515,183.884 h0.6
  text "E" at 343.015,183.884 h0.6
  text "E" at 344.515,183.884 h0.6
  text "D" at 504.406,183.857 h0.3
  text "C" at 502.794,183.818 h0.2
  text "C" at 323.938,183.663 h0.2
  text "D" at 470.343,183.531 h0.3 r180
  text "D" at 471.482,183.531 h0.3 r180
  text "D" at 472.618,183.535 h0.3 r180
  text "B" at 236.809,183.511 h2.03
  text "D" at 227.95,183.48 h0.3
  text "D" at 229.55,183.48 h0.3
  text "D" at 231.15,183.48 h0.3
  text "D" at 232.75,183.48 h0.3
  text "C" at 328.986,183.478 h0.2
  text "B" at 215.67,183.41 h2.03
  text "D" at 301.09,183.341 h0.3
  text "D" at 502.171,183.25 h0.3
  text "C" at 241.785,183.212 h0.2
  text "D" at 503.265,183.199 h0.3
  text "C" at 266.125,183.113 h0.2
  text "B" at 242.66,183.09 h2.03
  text "B" at 468.832,182.899 h2.03 r180
  text "D" at 479.542,182.885 h0.3 r180
  text "A" at 233.231,182.865 h2.03
  text "C" at 329.032,182.819 h0.2
  text "D" at 581.827,182.815 h0.3 r90
  text "D" at 583.713,182.799 h0.3 r90
  text "C" at 273.049,182.755 h0.2
  text "C" at 281.289,182.698 h0.2
  text "C" at 281.804,182.714 h0.2
  text "D" at 578.327,182.695 h0.3 r90
  text "M" at 262.602,182.651 h2.55
  text "C" at 304.097,182.617 h0.2
  text "C" at 304.889,182.617 h0.2
  text "C" at 226.588,182.594 h0.2
  text "C" at 305.66,182.607 h0.2
  text "C" at 513.045,182.595 h0.2
  text "C" at 307.085,182.558 h0.2
  text "C" at 307.606,182.548 h0.2
  text "C" at 308.107,182.558 h0.2
  text "C" at 308.618,182.538 h0.2
  text "C" at 474.571,182.463 h0.2 r180
  text "H" at 293.437,182.346 h1
  text "H" at 295.977,182.346 h1
  text "C" at 476.533,182.304 h0.2 r180
  text "C" at 274.898,182.267 h0.2
  text "C" at 279.375,182.264 h0.2
  text "D" at 303.335,182.274 h0.3
  text "D" at 502.67,182.271 h0.3
  text "D" at 312.865,182.256 h0.3
  text "D" at 582.788,182.257 h0.3 r90
  text "C" at 584.44,182.18 h0.2 r90
  text "C" at 513.212,182.105 h0.2
  text "B" at 236.784,182.048 h2.03
  text "C" at 276.443,182.03 h0.2
  text "C" at 513.947,181.714 h0.2
  text "B" at 225.395,181.674 h2.03
  text "D" at 583.716,181.662 h0.3 r90
  text "D" at 581.859,181.631 h0.3 r90
  text "D" at 578.295,181.598 h0.3 r90
  text "E" at 332.507,181.401 h0.6
  text "E" at 334.007,181.401 h0.6
  text "E" at 335.507,181.401 h0.6
  text "E" at 337.007,181.401 h0.6
  text "E" at 338.507,181.401 h0.6
  text "E" at 340.007,181.401 h0.6
  text "E" at 341.507,181.401 h0.6
  text "E" at 343.007,181.401 h0.6
  text "E" at 344.507,181.401 h0.6
  text "D" at 502.183,181.403 h0.3
  text "C" at 504.96,181.398 h0.2
  text "A" at 232.826,181.382 h2.03
  text "A" at 229.701,181.345 h2.03
  text "C" at 511.779,181.366 h0.2
  text "C" at 304.117,181.324 h0.2
  text "C" at 305.51,181.334 h0.2
  text "C" at 307.155,181.336 h0.2
  text "C" at 308.197,181.336 h0.2
  text "C" at 308.708,181.326 h0.2
  text "D" at 503.296,181.342 h0.3
  text "C" at 304.768,181.314 h0.2
  text "C" at 307.666,181.316 h0.2
  text "D" at 468.38,181.274 h0.3 r180
  text "B" at 269.548,181.267 h2.03
  text "D" at 302.404,181.097 h0.3
  text "D" at 311.911,181.1 h0.3
  text "C" at 476.465,181.085 h0.2 r180
  text "A" at 225.531,181.001 h2.03
  text "C" at 306.528,181.008 h0.2
  text "D" at 301.143,180.97 h0.3
  text "C" at 507.338,180.955 h0.2
  text "D" at 268.073,180.931 h0.3
  text "C" at 287.606,180.903 h0.2
  text "D" at 309.919,180.902 h0.3
  text "D" at 247.763,180.872 h0.3
  text "C" at 515.64,180.869 h0.2
  text "C" at 282.883,180.852 h0.2
  text "A" at 276.986,180.813 h2.03
  text "C" at 503.241,180.768 h0.2
  text "A" at 286.437,180.731 h2.03
  text "C" at 506.721,180.699 h0.2
  text "A" at 281.805,180.604 h2.03
  text "C" at 506.151,180.582 h0.2
  text "B" at 227.215,180.533 h2.03
  text "C" at 329.005,180.536 h0.2
  text "A" at 283.811,180.518 h2.03
  text "A" at 284.935,180.495 h2.03
  text "A" at 276.501,180.477 h2.03
  text "D" at 313.605,180.473 h0.3
  text "C" at 470.321,180.357 h0.2 r180
  text "A" at 277.038,180.34 h2.03
  text "B" at 228.255,180.31 h2.03
  text "A" at 285.983,180.258 h2.03
  text "D" at 318.738,180.224 h0.3
  text "Rnd 3.30N" at 332.117,180.16 h1.27 r90
  text "A" at 233.856,180.126 h2.03
  text "C" at 241.223,180.131 h0.2
  text "C" at 281.214,180.057 h0.2
  text "C" at 285.291,180.066 h0.2
  text "C" at 515.598,180.066 h0.2
  text "A" at 275.207,180.032 h2.03
  text "C" at 479.788,180.042 h0.2 r180
  text "A" at 278.357,180 h2.03
  text "A" at 288.114,180.018 h2.03
  text "D" at 269.514,179.966 h0.3
  text "A" at 279.629,179.948 h2.03
  text "A" at 280.408,179.948 h2.03
  text "A" at 281.208,179.948 h2.03